# KiCad board solderCurved.kicad_pcb
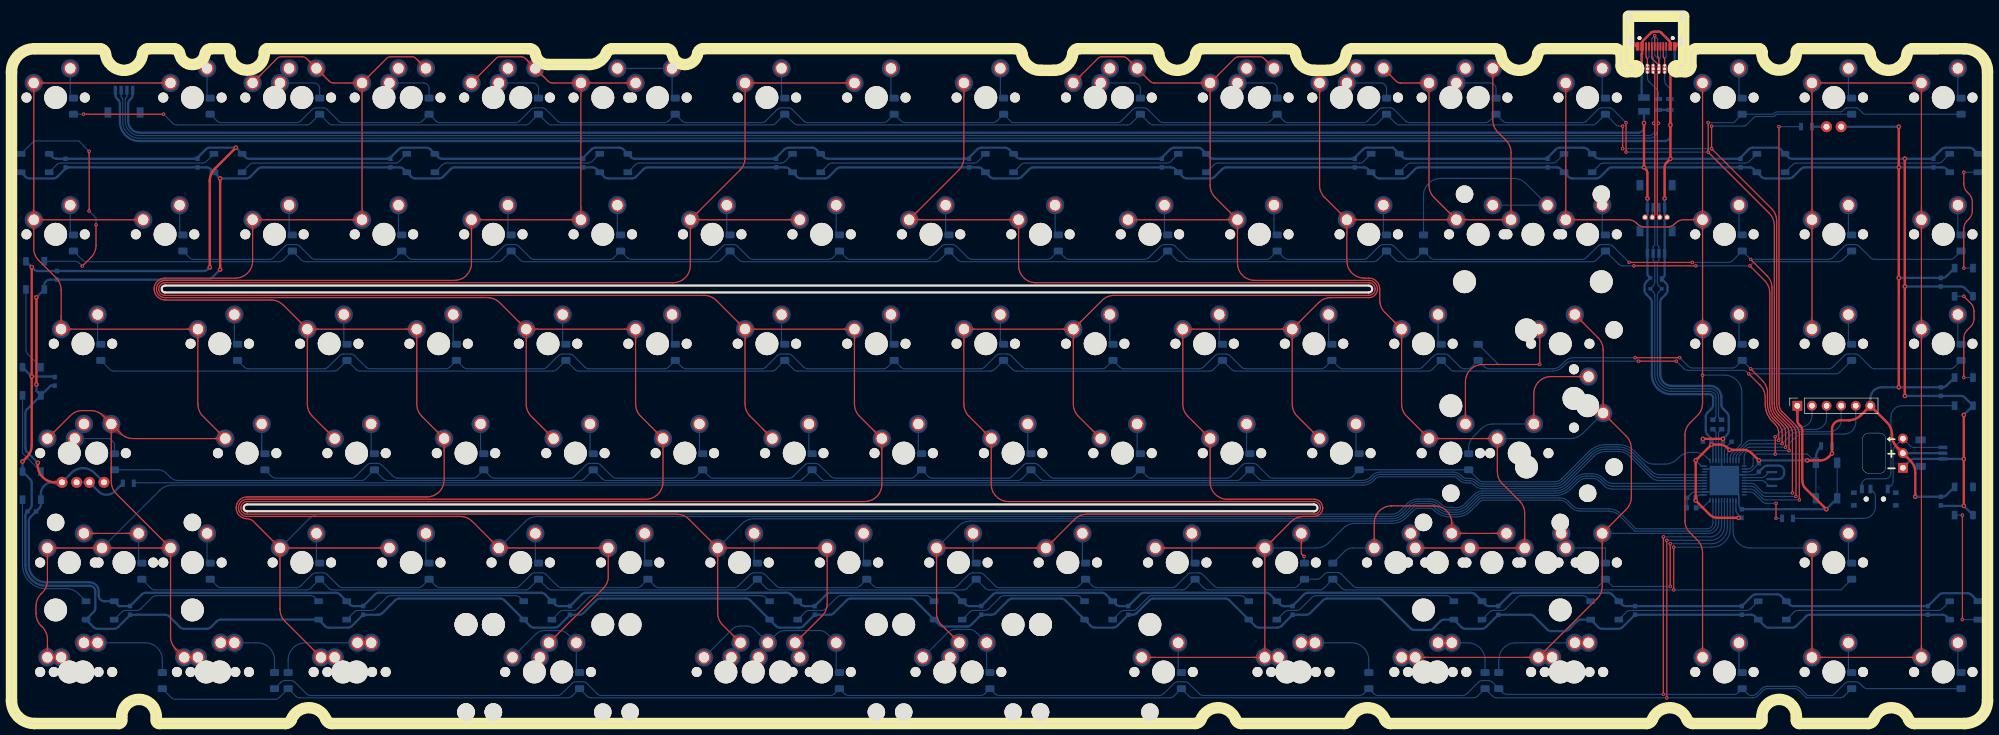
[diagram p0: board, top side]
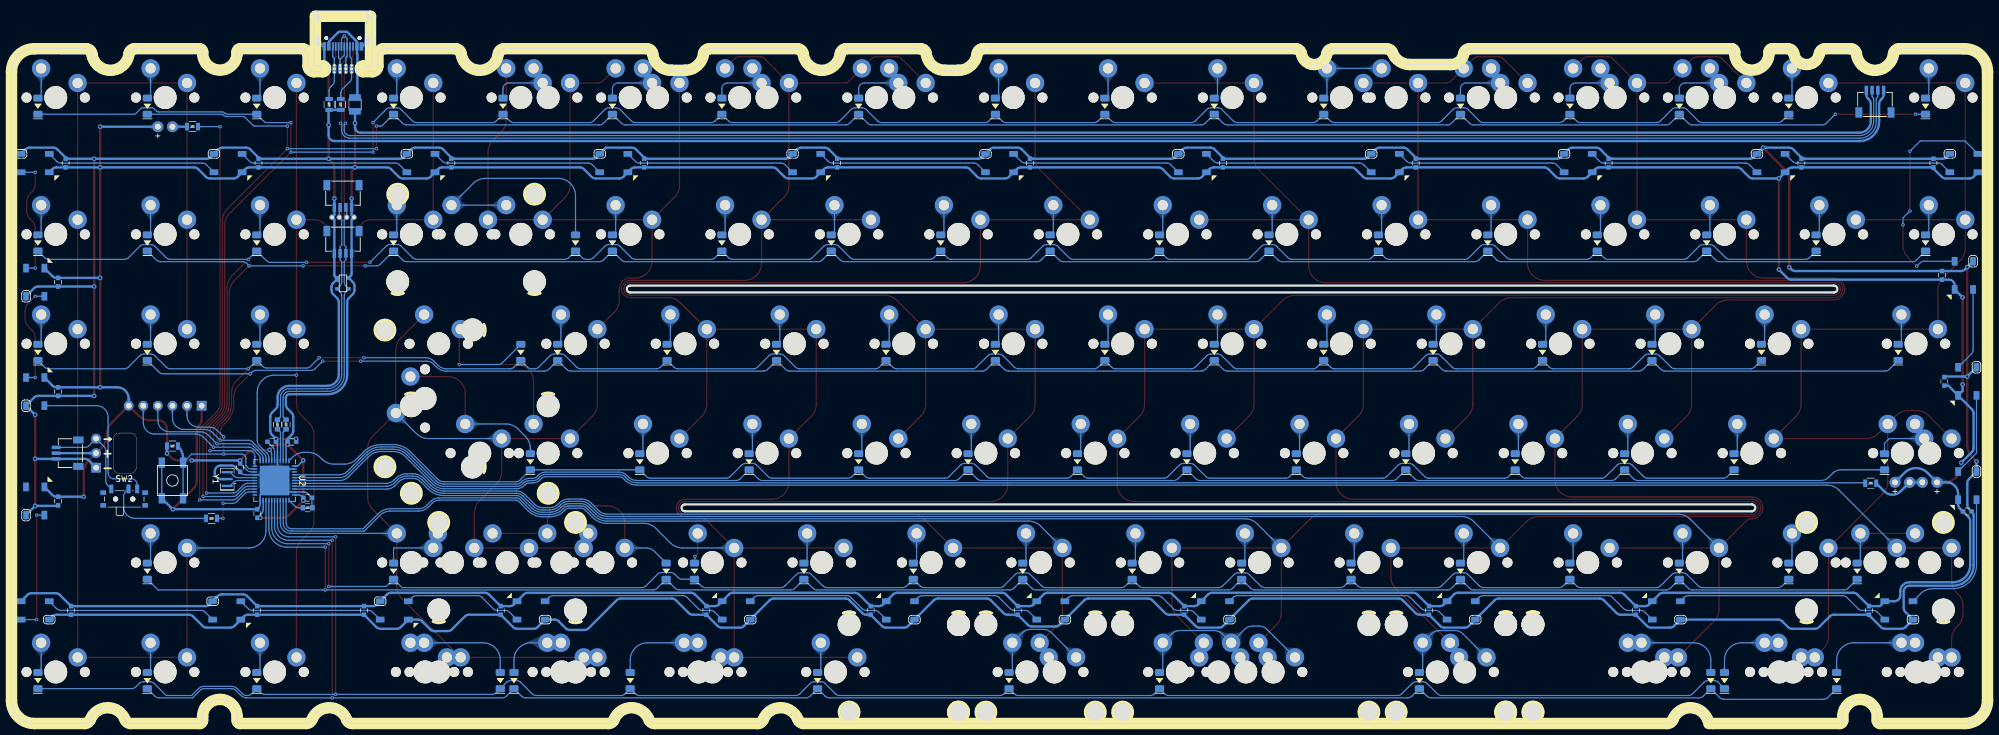
[diagram p1: board, bottom side, seen from below]

Outline 344 x 123.97 mm; copper layers: Top, Bottom. Coordinates in mm from the lower left corner of the outline.

## Placement (name value [footprint] x y rotation side)
C1  10uF  [C_0603]  295.2 49.06 0 bottom
C2  0.1uF  [C_0603]  9.41 97.58 90 bottom
C3  0.1uF  [C_0603]  200.27 97.58 90 bottom
C4  0.1uF  [C_0603]  292.45 39.31 0 bottom
C5  0.1uF  [C_0603]  301.2 36.56 270 bottom
C6  1uF  [C_0603]  298.7 49.06 180 bottom
C7  0.1uF  [C_0603]  304.2 44.56 90 bottom
C8  0.1uF  [C_0603]  65.97 97.58 90 bottom
C9  0.1uF  [C_0603]  32.39 97.58 90 bottom
C10  0.1uF  [C_0603]  166.69 97.58 90 bottom
C11  0.1uF  [C_0603]  99.54 97.58 90 bottom
C12  0.1uF  [C_0603]  233.85 97.58 90 bottom
C13  0.1uF  [C_0603]  133.12 97.58 90 bottom
C14  0.1uF  [C_0603]  267.42 97.58 90 bottom
C15  0.1uF  [C_0603]  61.23 19.69 270 bottom
C16  0.1uF  [C_0603]  301 97.58 90 bottom
C17  0.1uF  [C_0603]  334.57 97.58 90 bottom
C18  0.1uF  [C_0603]  139.83 19.69 270 bottom
C19  0.1uF  [C_0603]  194.43 19.69 270 bottom
C20  0.1uF  [C_0603]  168.83 19.69 270 bottom
C21  0.1uF  [C_0603]  97.23 19.69 270 bottom
C22  0.1uF  [C_0603]  282.63 19.69 270 bottom
C23  0.1uF  [C_0603]  301.23 19.69 270 bottom
C24  0.1uF  [C_0603]  258.83 19.69 270 bottom
C25  0.1uF  [C_0603]  223.03 19.69 270 bottom
C26  0.1uF  [C_0603]  335.87 57.79 270 bottom
C27  0.1uF  [C_0603]  335.87 76.84 270 bottom
C28  0.1uF  [C_0603]  20.63 19.69 270 bottom
C29  0.1uF  [C_0603]  335.87 38.74 270 bottom
C30  0.1uF  [C_0603]  333.63 19.69 270 bottom
C31  0.1uF  [C_0603]  7.91 78.03 90 bottom
C32  0.1uF  [C_0603]  3.52 36.92 180 bottom
C33  0.1uF  [C_0603]  7.52 59.58 90 bottom
D1  D  [DIODE_1206_SawnsProjects]  10.79 107.49 90 bottom
D2  D  [DIODE_1206_SawnsProjects]  10.79 83.67 90 bottom
D3  D  [DIODE_1206_SawnsProjects]  15.55 64.62 90 bottom
D4  D  [DIODE_1206_SawnsProjects]  17.93 45.57 90 bottom
D5  D  [DIODE_1206_SawnsProjects]  22.69 26.52 90 bottom
D6  D  [DIODE_1206_SawnsProjects]  26.26 7.47 90 bottom
D7  D  [DIODE_1206_SawnsProjects]  34.6 107.49 90 bottom
D8  D  [DIODE_1206_SawnsProjects]  29.84 83.67 90 bottom
D9  D  [DIODE_1206_SawnsProjects]  39.36 64.62 90 bottom
D10  D  [DIODE_1206_SawnsProjects]  44.12 45.57 90 bottom
D11  D  [DIODE_1206_SawnsProjects]  34.6 26.52 90 bottom
D12  D  [DIODE_1206_SawnsProjects]  45.79 7.47 90 bottom
D13  D  [DIODE_1206_SawnsProjects]  53.65 107.49 90 bottom
D14  D  [DIODE_1206_SawnsProjects]  48.89 83.67 90 bottom
D15  D  [DIODE_1206_SawnsProjects]  58.41 64.62 90 bottom
D16  D  [DIODE_1206_SawnsProjects]  63.17 45.57 90 bottom
D17  D  [DIODE_1206_SawnsProjects]  53.65 26.52 90 bottom
D18  D  [DIODE_1206_SawnsProjects]  48.17 7.47 90 bottom
D19  D  [DIODE_1206_SawnsProjects]  72.7 107.49 90 bottom
D20  D  [DIODE_1206_SawnsProjects]  67.94 83.67 90 bottom
D21  D  [DIODE_1206_SawnsProjects]  77.46 64.62 90 bottom
D22  D  [DIODE_1206_SawnsProjects]  82.22 45.57 90 bottom
D23  D  [DIODE_1206_SawnsProjects]  72.7 26.52 90 bottom
D24  D  [DIODE_1206_SawnsProjects]  91.75 107.49 90 bottom
D25  D  [DIODE_1206_SawnsProjects]  86.99 83.67 90 bottom
D26  D  [DIODE_1206_SawnsProjects]  96.51 64.62 90 bottom
D27  D  [DIODE_1206_SawnsProjects]  101.27 45.57 90 bottom
D28  D  [DIODE_1206_SawnsProjects]  91.75 26.52 90 bottom
D29  D  [DIODE_1206_SawnsProjects]  115.56 107.49 90 bottom
D30  D  [DIODE_1206_SawnsProjects]  106.04 83.67 90 bottom
D31  D  [DIODE_1206_SawnsProjects]  115.56 64.62 90 bottom
D32  D  [DIODE_1206_SawnsProjects]  120.32 45.57 90 bottom
D33  D  [DIODE_1206_SawnsProjects]  110.8 26.52 90 bottom
D34  D  [DIODE_1206_SawnsProjects]  134.61 107.49 90 bottom
D35  D  [DIODE_1206_SawnsProjects]  125.09 83.67 90 bottom
D36  D  [DIODE_1206_SawnsProjects]  134.61 64.62 90 bottom
D37  D  [DIODE_1206_SawnsProjects]  139.37 45.57 90 bottom
D38  D  [DIODE_1206_SawnsProjects]  129.85 26.52 90 bottom
D39  D  [DIODE_1206_SawnsProjects]  153.66 107.49 90 bottom
D40  D  [DIODE_1206_SawnsProjects]  144.14 83.67 90 bottom
D41  D  [DIODE_1206_SawnsProjects]  153.66 64.62 90 bottom
D42  D  [DIODE_1206_SawnsProjects]  158.42 45.57 90 bottom
D43  D  [DIODE_1206_SawnsProjects]  148.9 26.52 90 bottom
D44  D  [DIODE_1206_SawnsProjects]  144.14 7.47 90 bottom
D45  D  [DIODE_1206_SawnsProjects]  172.71 107.49 90 bottom
D46  D  [DIODE_1206_SawnsProjects]  163.19 83.67 90 bottom
D47  D  [DIODE_1206_SawnsProjects]  172.71 64.62 90 bottom
D48  D  [DIODE_1206_SawnsProjects]  177.47 45.57 90 bottom
D49  D  [DIODE_1206_SawnsProjects]  167.95 26.52 90 bottom
D50  D  [DIODE_1206_SawnsProjects]  196.52 107.49 90 bottom
D51  D  [DIODE_1206_SawnsProjects]  182.24 83.67 90 bottom
D52  D  [DIODE_1206_SawnsProjects]  191.76 64.62 90 bottom
D53  D  [DIODE_1206_SawnsProjects]  196.52 45.57 90 bottom
D54  D  [DIODE_1206_SawnsProjects]  187 26.52 90 bottom
D55  D  [DIODE_1206_SawnsProjects]  220.34 107.49 90 bottom
D56  D  [DIODE_1206_SawnsProjects]  201.29 83.67 90 bottom
D57  D  [DIODE_1206_SawnsProjects]  210.81 64.62 90 bottom
D58  D  [DIODE_1206_SawnsProjects]  215.57 45.57 90 bottom
D59  D  [DIODE_1206_SawnsProjects]  206.05 26.52 90 bottom
D60  D  [DIODE_1206_SawnsProjects]  239.39 107.49 90 bottom
D61  D  [DIODE_1206_SawnsProjects]  220.34 83.67 90 bottom
D62  D  [DIODE_1206_SawnsProjects]  229.86 64.62 90 bottom
D63  D  [DIODE_1206_SawnsProjects]  234.62 45.57 90 bottom
D64  D  [DIODE_1206_SawnsProjects]  225.1 26.52 90 bottom
D65  D  [DIODE_1206_SawnsProjects]  258.44 107.49 90 bottom
D66  D  [DIODE_1206_SawnsProjects]  239.39 83.67 90 bottom
D67  D  [DIODE_1206_SawnsProjects]  248.91 64.62 90 bottom
D68  D  [DIODE_1206_SawnsProjects]  230.03 26.52 90 bottom
D69  D  [DIODE_1206_SawnsProjects]  236.29 7.47 90 bottom
D70  D  [DIODE_1206_SawnsProjects]  277.49 107.49 90 bottom
D71  D  [DIODE_1206_SawnsProjects]  245.81 83.67 90 bottom
D72  D  [DIODE_1206_SawnsProjects]  255.34 64.62 90 bottom
D73  D  [DIODE_1206_SawnsProjects]  253.67 45.57 90 bottom
D74  D  [DIODE_1206_SawnsProjects]  277.49 26.52 90 bottom
D75  D  [DIODE_1206_SawnsProjects]  256.53 7.47 90 bottom
D76  D  [DIODE_1206_SawnsProjects]  277.49 83.67 90 bottom
D77  D  [DIODE_1206_SawnsProjects]  258.91 7.47 90 bottom
D78  D  [DIODE_1206_SawnsProjects]  301.3 107.49 90 bottom
D79  D  [DIODE_1206_SawnsProjects]  301.3 83.67 90 bottom
D80  D  [DIODE_1206_SawnsProjects]  301.3 64.62 90 bottom
D81  D  [DIODE_1206_SawnsProjects]  301.3 7.47 90 bottom
D82  D  [DIODE_1206_SawnsProjects]  320.35 107.49 90 bottom
D83  D  [DIODE_1206_SawnsProjects]  320.35 83.67 90 bottom
D84  D  [DIODE_1206_SawnsProjects]  320.35 64.62 90 bottom
D85  D  [DIODE_1206_SawnsProjects]  320.35 26.52 90 bottom
D86  D  [DIODE_1206_SawnsProjects]  320.35 7.47 90 bottom
D87  D  [DIODE_1206_SawnsProjects]  339.4 107.49 90 bottom
D88  D  [DIODE_1206_SawnsProjects]  339.4 83.67 90 bottom
D89  D  [DIODE_1206_SawnsProjects]  339.4 64.62 90 bottom
D90  D  [DIODE_1206_SawnsProjects]  339.4 7.47 90 bottom
D91  D  [DIODE_1206_SawnsProjects]  203.67 7.47 90 bottom
D92  D  [DIODE_1206_SawnsProjects]  98.89 7.47 90 bottom
D93  D  [DIODE_1206_SawnsProjects]  170.33 7.47 90 bottom
F1  Fuse_Small  [Fuse_SMD1206_Reflow]  284.2 107.79 270 bottom
J1  Conn_01x04_Female  [JST-SR-4]  286.29 86.64 0 bottom
J4  Conn_01x03_Female  [PinSocket_1x03_P2.54mm_Vertical]  329.27 47.07 180 top
J5  Conn_01x04_Female  [PinHeader_1x04_P1.27mm_Vertical]  286.29 88.14 90 top
J6  Conn_01x03_Female  [JST-SR-3]  331.45 47.07 90 bottom
J7  Conn_01x04_Female  [JST-SR-4]  286.29 94.64 0 bottom
J8  Conn_01x04_Female  [BreakoutUSB]  286.29 113.99 0 top
J9  Conn_01x04_Female  [JST-SR-4]  19.59 105.49 180 bottom
J10  Conn_01x03_Female  [PinSocket_1x06_P2.54mm_Vertical]  317.25 55.33 90 top
LED1  LED  [MXOnly-LEDONLY-FLIPPED]  317.25 108.99 0 top
LED2  LED  [MXOnly-LEDONLY]  10.07 47.07 0 top
LED3  LED  [MXOnly-LEDONLY-FLIPPED]  14.83 47.07 0 top
MX1  1U  [MXOnly-1U-NoLED]  7.69 108.99 0 top
MX2  1U  [MXOnly-1U-NoLED]  7.69 85.17 0 top
MX3  1.5U  [MXOnly-1.5U-NoLED]  12.45 66.12 0 top
MX4  1.25U  [MXOnly-1.25U-NoLED]  10.07 47.07 0 top
MX5  1.25U  [MXOnly-1.25U-NoLED]  10.07 28.02 0 top
MX6  2.25U  [MXOnly-2.25U-NoLED]  19.59 28.02 0 top
MX7  1.5U  [MXOnly-1.5U-NoLED]  12.45 8.97 0 top
MX8  1.75U  [MXOnly-1.75U-NoLED]  14.83 47.07 0 top
MX9  1U  [MXOnly-1U-NoLED]  31.5 108.99 0 top
MX10  1U  [MXOnly-1U-NoLED]  26.74 85.17 0 top
MX11  1U  [MXOnly-1U-NoLED]  36.26 66.12 0 top
MX12  1U  [MXOnly-1U-NoLED]  41.02 47.07 0 top
MX13  1U  [MXOnly-1U-NoLED]  31.5 28.02 0 top
MX14  1U  [MXOnly-1U-NoLED]  36.26 8.97 0 top
MX15  1U  [MXOnly-1U-NoLED]  50.55 108.99 0 top
MX16  1U  [MXOnly-1U-NoLED]  45.79 85.17 0 top
MX17  1U  [MXOnly-1U-NoLED]  55.31 66.12 0 top
MX18  1U  [MXOnly-1U-NoLED]  60.07 47.07 0 top
MX19  1U  [MXOnly-1U-NoLED]  50.55 28.02 0 top
MX20  1.5U  [MXOnly-1.5U-NoLED]  60.07 8.97 0 top
MX21  1U  [MXOnly-1U-NoLED]  69.6 108.99 0 top
MX22  1U  [MXOnly-1U-NoLED]  64.84 85.17 0 top
MX23  1U  [MXOnly-1U-NoLED]  74.36 66.12 0 top
MX24  1U  [MXOnly-1U-NoLED]  79.12 47.07 0 top
MX25  1U  [MXOnly-1U-NoLED]  69.6 28.02 0 top
MX26  1U  [MXOnly-1U-NoLED]  88.65 108.99 0 top
MX27  1U  [MXOnly-1U-NoLED]  83.89 85.17 0 top
MX28  1U  [MXOnly-1U-NoLED]  93.41 66.12 0 top
MX29  1U  [MXOnly-1U-NoLED]  98.17 47.07 0 top
MX30  1U  [MXOnly-1U-NoLED]  88.65 28.02 0 top
MX31  1U  [MXOnly-1U-NoLED]  112.46 108.99 0 top
MX32  1U  [MXOnly-1U-NoLED]  102.94 85.17 0 top
MX33  1U  [MXOnly-1U-NoLED]  112.46 66.12 0 top
MX34  1U  [MXOnly-1U-NoLED]  117.22 47.07 0 top
MX35  1U  [MXOnly-1U-NoLED]  107.7 28.02 0 top
MX36  1U  [MXOnly-1U-NoLED]  131.51 108.99 0 top
MX37  1U  [MXOnly-1U-NoLED]  121.99 85.17 0 top
MX38  1U  [MXOnly-1U-NoLED]  131.51 66.12 0 top
MX39  1U  [MXOnly-1U-NoLED]  136.27 47.07 0 top
MX40  1U  [MXOnly-1U-NoLED]  126.75 28.02 0 top
MX41  1U  [MXOnly-1U-NoLED]  150.56 108.99 0 top
MX42  1U  [MXOnly-1U-NoLED]  141.04 85.17 0 top
MX43  1U  [MXOnly-1U-NoLED]  150.56 66.12 0 top
MX44  1U  [MXOnly-1U-NoLED]  155.32 47.07 0 top
MX45  1U  [MXOnly-1U-NoLED]  145.8 28.02 0 top
MX46  7U  [MXOnly-7U-ReversedStabilizers-NoLED]  141.04 8.97 0 top
MX47  1U  [MXOnly-1U-NoLED]  169.61 108.99 0 top
MX48  1U  [MXOnly-1U-NoLED]  160.09 85.17 0 top
MX49  1U  [MXOnly-1U-NoLED]  169.61 66.12 0 top
MX50  1U  [MXOnly-1U-NoLED]  174.37 47.07 0 top
MX51  1U  [MXOnly-1U-NoLED]  164.85 28.02 0 top
MX52  1U  [MXOnly-1U-NoLED]  193.42 108.99 0 top
MX53  1U  [MXOnly-1U-NoLED]  179.14 85.17 0 top
MX54  1U  [MXOnly-1U-NoLED]  188.66 66.12 0 top
MX55  1U  [MXOnly-1U-NoLED]  193.42 47.07 0 top
MX56  1U  [MXOnly-1U-NoLED]  183.9 28.02 0 top
MX57  1U  [MXOnly-1U-NoLED]  212.47 108.99 0 top
MX58  1U  [MXOnly-1U-NoLED]  198.19 85.17 0 top
MX59  1U  [MXOnly-1U-NoLED]  207.71 66.12 0 top
MX60  1U  [MXOnly-1U-NoLED]  212.47 47.07 0 top
MX61  1U  [MXOnly-1U-NoLED]  202.95 28.02 0 top
MX62  1U  [MXOnly-1U-NoLED]  231.52 108.99 0 top
MX63  1U  [MXOnly-1U-NoLED]  217.24 85.17 0 top
MX64  1U  [MXOnly-1U-NoLED]  226.76 66.12 0 top
MX65  1U  [MXOnly-1U-NoLED]  231.52 47.07 0 top
MX66  1U  [MXOnly-1U-NoLED]  222 28.02 0 top
MX67  1U  [MXOnly-1U-NoLED]  250.57 108.99 0 top
MX68  1U  [MXOnly-1U-NoLED]  236.29 85.17 0 top
MX69  1U  [MXOnly-1U-NoLED]  245.81 66.12 0 top
MX70  1.75U  [MXOnly-1.75U-NoLED]  248.19 28.02 0 top
MX71  2.75U  [MXOnly-2.75U-NoLED]  257.72 28.02 0 top
MX72  1.5U  [MXOnly-1.5U-NoLED]  222 8.97 0 top
MX73  1U  [MXOnly-1U-NoLED]  274.39 108.99 0 top
MX74  1U  [MXOnly-1U-NoLED]  255.34 85.17 0 top
MX75  2U  [MXOnly-2U-NoLED]  264.86 85.17 0 top
MX76  1U  [MXOnly-1U-NoLED]  250.57 47.07 0 top
MX77  2.25U  [MXOnly-2.25U-ReversedStabilizers-NoLED]  262.48 47.07 0 top
MX78  1U  [MXOnly-1U-NoLED]  274.39 28.02 0 top
MX79  1U  [MXOnly-1U-NoLED]  245.81 8.97 0 top
MX80  1.5U  [MXOnly-1.5U-NoLED]  269.62 66.12 0 top
MX81  ISO  [MXOnly-ISO-ROTATED-ReversedStabilizers-NoLED]  272.01 56.6 0 top
MX82  1U  [MXOnly-1U-NoLED]  274.39 85.17 0 top
MX83  1.5U  [MXOnly-1.5U-NoLED]  269.62 8.97 0 top
MX84  1U  [MXOnly-1U-NoLED]  298.2 108.99 0 top
MX85  1U  [MXOnly-1U-NoLED]  298.2 85.17 0 top
MX86  1U  [MXOnly-1U-NoLED]  298.2 66.12 0 top
MX87  1U  [MXOnly-1U-NoLED]  298.2 8.97 0 top
MX88  1U  [MXOnly-1U-NoLED]  317.25 108.99 0 top
MX89  1U  [MXOnly-1U-NoLED]  317.25 85.17 0 top
MX90  1U  [MXOnly-1U-NoLED]  317.25 66.12 0 top
MX91  1U  [MXOnly-1U-NoLED]  317.25 28.02 0 top
MX92  1U  [MXOnly-1U-NoLED]  317.25 8.97 0 top
MX93  1U  [MXOnly-1U-NoLED]  336.3 108.99 0 top
MX94  1U  [MXOnly-1U-NoLED]  336.3 85.17 0 top
MX95  1U  [MXOnly-1U-NoLED]  336.3 66.12 0 top
MX96  1U  [MXOnly-1U-NoLED]  336.3 8.97 0 top
MX97  1U  [MXOnly-1U-NoLED]  45.79 108.99 0 top
MX98  1U  [MXOnly-1U-NoLED]  64.84 108.99 0 top
MX99  1U  [MXOnly-1U-NoLED]  83.89 108.99 0 top
MX100  1U  [MXOnly-1U-NoLED]  102.94 108.99 0 top
MX101  1.25U  [MXOnly-1.25U-NoLED]  10.07 8.97 0 top
MX102  1.25U  [MXOnly-1.25U-NoLED]  33.88 8.97 0 top
MX103  1.25U  [MXOnly-1.25U-NoLED]  57.69 8.97 0 top
MX104  1U  [MXOnly-1U-NoLED]  188.66 108.99 0 top
MX105  1U  [MXOnly-1U-NoLED]  217.24 108.99 0 top
MX106  1U  [MXOnly-1U-NoLED]  236.29 108.99 0 top
MX107  1U  [MXOnly-1U-NoLED]  255.34 108.99 0 top
MX108  6.25U  [MXOnly-6.25U-ReversedStabilizers-NoLED]  129.13 8.97 0 top
MX109  1.25U  [MXOnly-1.25U-NoLED]  124.37 8.97 0 top
MX110  2.75U  [MXOnly-2.75U-ReversedStabilizers-NoLED]  95.79 8.97 0 top
MX111  2.25U  [MXOnly-2.25U-ReversedStabilizers-NoLED]  91.03 8.97 0 top
MX112  1.25U  [MXOnly-1.25U-NoLED]  133.89 8.97 0 top
MX113  2.25U  [MXOnly-2.25U-ReversedStabilizers-NoLED]  167.23 8.97 0 top
MX114  2.75U  [MXOnly-2.75U-ReversedStabilizers-NoLED]  162.47 8.97 0 top
MX115  1.25U  [MXOnly-1.25U-NoLED]  200.57 8.97 0 top
MX116  1.25U  [MXOnly-1.25U-NoLED]  224.38 8.97 0 top
MX117  1.25U  [MXOnly-1.25U-NoLED]  248.19 8.97 0 top
MX118  1.25U  [MXOnly-1.25U-NoLED]  272.01 8.97 0 top
MX119  1.75U  [MXOnly-1.75U-NoLED]  267.24 28.02 0 top
MX120  1U  [MXOnly-1U-NoLED]  241.05 28.02 0 top
R1  5.1k  [R_0805]  288.7 107.79 90 bottom
R2  300R  [R_0805]  312.49 103.93 180 bottom
R3  300R  [R_0805]  20.34 41.84 0 bottom
R4  22  [R_0603]  297.7 52.06 90 bottom
R5  22  [R_0603]  296.2 52.06 90 bottom
R6  5.1k  [R_0805]  286.7 107.79 90 bottom
R7  300R  [R_0805]  309.18 35.71 180 bottom
R9  10k  [R_0805]  315.98 48.31 180 bottom
R10  1k  [R_0603]  292.45 37.56 0 bottom
RGB1  WS2812B  [LED_WS2812B_PLCC4_5.0x5.0mm_P3.2mm]  4.11 97.58 0 bottom
RGB2  WS2812B  [LED_WS2812B_PLCC4_5.0x5.0mm_P3.2mm]  37.69 97.58 0 bottom
RGB3  WS2812B  [LED_WS2812B_PLCC4_5.0x5.0mm_P3.2mm]  71.27 97.58 0 bottom
RGB4  WS2812B  [LED_WS2812B_PLCC4_5.0x5.0mm_P3.2mm]  104.84 97.58 0 bottom
RGB5  WS2812B  [LED_WS2812B_PLCC4_5.0x5.0mm_P3.2mm]  272.72 97.58 0 bottom
RGB6  WS2812B  [LED_WS2812B_PLCC4_5.0x5.0mm_P3.2mm]  138.42 97.58 0 bottom
RGB7  WS2812B  [LED_WS2812B_PLCC4_5.0x5.0mm_P3.2mm]  171.99 97.58 0 bottom
RGB8  WS2812B  [LED_WS2812B_PLCC4_5.0x5.0mm_P3.2mm]  205.57 97.58 0 bottom
RGB9  WS2812B  [LED_WS2812B_PLCC4_5.0x5.0mm_P3.2mm]  239.15 97.58 0 bottom
RGB10  WS2812B  [LED_WS2812B_PLCC4_5.0x5.0mm_P3.2mm]  306.3 97.58 0 bottom
RGB11  WS2812B  [LED_WS2812B_PLCC4_5.0x5.0mm_P3.2mm]  339.87 97.58 0 bottom
RGB12  WS2812B  [LED_WS2812B_PLCC4_5.0x5.0mm_P3.2mm]  339.87 19.69 180 bottom
RGB13  WS2812B  [LED_WS2812B_PLCC4_5.0x5.0mm_P3.2mm]  339.87 38.74 270 bottom
RGB14  WS2812B  [LED_WS2812B_PLCC4_5.0x5.0mm_P3.2mm]  339.87 57.79 270 bottom
RGB15  WS2812B  [LED_WS2812B_PLCC4_5.0x5.0mm_P3.2mm]  339.87 76.84 270 bottom
RGB16  WS2812B  [LED_WS2812B_PLCC4_5.0x5.0mm_P3.2mm]  4.11 78.03 90 bottom
RGB17  WS2812B  [LED_WS2812B_PLCC4_5.0x5.0mm_P3.2mm]  3.52 59.58 90 bottom
RGB18  WS2812B  [LED_WS2812B_PLCC4_5.0x5.0mm_P3.2mm]  3.52 41.42 90 bottom
RGB19  WS2812B  [LED_WS2812B_PLCC4_5.0x5.0mm_P3.2mm]  15.43 19.69 180 bottom
RGB20  WS2812B  [LED_WS2812B_PLCC4_5.0x5.0mm_P3.2mm]  55.91 19.69 180 bottom
RGB21  WS2812B  [LED_WS2812B_PLCC4_5.0x5.0mm_P3.2mm]  91.63 19.69 180 bottom
RGB22  WS2812B  [LED_WS2812B_PLCC4_5.0x5.0mm_P3.2mm]  134.42 19.69 180 bottom
RGB23  WS2812B  [LED_WS2812B_PLCC4_5.0x5.0mm_P3.2mm]  163.06 19.69 180 bottom
RGB24  WS2812B  [LED_WS2812B_PLCC4_5.0x5.0mm_P3.2mm]  189.26 19.69 180 bottom
RGB25  WS2812B  [LED_WS2812B_PLCC4_5.0x5.0mm_P3.2mm]  217.83 19.69 180 bottom
RGB26  WS2812B  [LED_WS2812B_PLCC4_5.0x5.0mm_P3.2mm]  253.55 19.69 180 bottom
RGB27  WS2812B  [LED_WS2812B_PLCC4_5.0x5.0mm_P3.2mm]  306.53 19.69 0 bottom
RGB28  WS2812B  [LED_WS2812B_PLCC4_5.0x5.0mm_P3.2mm]  277.36 19.69 0 bottom
SW1  SW_Push  [SKQG-1155865-2pin]  315.98 42.31 270 bottom
SW2  SW_SPDT  [SW_SPDT_PCM12]  324.38 39.41 180 bottom
U2  ATmega32U4-MU  [QFN-44-1EP_7x7mm_P0.5mm_EP5.15x5.15mm]  298.2 42.31 270 bottom
U3  PRTR5V0U2X  [SOT143B]  286.29 76.64 180 bottom
USB1  HRO-TYPE-C-31-M-12  [HRO-TYPE-C-31-M-12-Assembly]  286.31 125.59 0 bottom
USB2  HRO-TYPE-C-31-M-12  [HRO-TYPE-C-31-M-12-Assembly]  286.31 125.59 180 top
Y1  16Mhz  [Resonator_SMD_muRata_CSTxExxV-3Pin_3.0x1.1mm]  306.45 42.56 90 bottom

## Footprints (pads in the part's own frame, mm; a bottom-side part is the same pattern mirrored in y, then rotated)
BreakoutUSB
  round 0.5 hole 0.4: 1(-2.5,0.6) 1(-2.5,-0.6) 2(-1.5,0.6) 2(-1.5,-0.6) 3(-0.5,0.6) 3(-0.5,-0.6) 4(0.5,0.6) 4(0.5,-0.6) 5(1.5,0.6) 5(1.5,-0.6) 6(2.5,0.6) 6(2.5,-0.6)
  oval 0.7x1.8 hole 0.5: 1(-2.5,0) 2(-1.5,0) 3(-0.5,0) 4(0.5,0) 5(1.5,0) 6(2.5,0)
C_0603
  rect 0.8x0.75 smd: 1(-0.75,0) 2(0.75,0)
DIODE_1206_SawnsProjects
  rrect 1.2x1.6 smd: 1(-1.4,0) 2(1.4,0)
Fuse_SMD1206_Reflow
  rect 1.14x2.03 smd: 1(-1.2,0) 2(1.2,0)
HRO-TYPE-C-31-M-12-Assembly
  round 0.65 hole 0.65 unplated: (-2.89,6.25) (2.89,6.25)
  rect 0.6x1.45 smd: 1(-3.225,7.695) 2(-2.45,7.695) 11(2.45,7.695) 12(3.225,7.695)
  rect 0.3x1.45 smd: 3(-1.75,7.695) 4(-1.25,7.695) 5(-0.75,7.695) 6(-0.25,7.695) 7(0.25,7.695) 8(0.75,7.695) 9(1.25,7.695) 10(1.75,7.695)
  oval 1x2.1 hole 0.6x1.7: 13(-4.32,6.78) 13(4.32,6.78)
  oval 1x1.6 hole 0.6x1.2: 13(-4.32,2.6) 13(4.32,2.6)
JST-SR-3
  rect 1.2x1.8 smd: (-2.3,0.9) (2.3,0.9)
  rect 0.6x1.55 smd: 1(-1,4.775) 2(0,4.775) 3(1,4.775)
JST-SR-4
  rect 1.2x1.8 smd: (-2.8,0.9) (2.8,0.9)
  rect 0.6x1.55 smd: 1(-1.5,4.775) 2(-0.5,4.775) 3(0.5,4.775) 4(1.5,4.775)
LED_WS2812B_PLCC4_5.0x5.0mm_P3.2mm
  rect 1.5x1 smd: 1(-2.45,1.6) 2(-2.45,-1.6) 4(2.45,1.6)
  rrect 1.5x1 smd: 3(2.45,-1.6)
MXOnly-1.5U-NoLED
  round 1.75 hole 1.75 unplated: (-5.08,0) (5.08,0)
  round 2.8 smd: (-3.81,2.54) (2.54,5.08)
  round 3.988 hole 3.988 unplated: (0,0)
  round 1 smd: (3.099,0)
  round 2.4 hole 1.8: 1(-3.81,2.54) 2(2.54,5.08)
  round 3.2 smd far side: 1(-3.81,2.54) 2(2.54,5.08)
MXOnly-1.25U-NoLED
  round 1.75 hole 1.75 unplated: (-5.08,0) (5.08,0)
  round 2.8 smd: (-3.81,2.54) (2.54,5.08)
  round 3.988 hole 3.988 unplated: (0,0)
  round 1 smd: (3.099,0)
  round 2.4 hole 1.8: 1(-3.81,2.54) 2(2.54,5.08)
  round 3.2 smd far side: 1(-3.81,2.54) 2(2.54,5.08)
MXOnly-1.75U-NoLED
  round 1.75 hole 1.75 unplated: (-5.08,0) (5.08,0)
  round 2.8 smd: (-3.81,2.54) (2.54,5.08)
  round 3.988 hole 3.988 unplated: (0,0)
  round 1 smd: (3.099,0)
  round 2.4 hole 1.8: 1(-3.81,2.54) 2(2.54,5.08)
  round 3.2 smd far side: 1(-3.81,2.54) 2(2.54,5.08)
MXOnly-1U-NoLED
  round 1.75 hole 1.75 unplated: (-5.08,0) (5.08,0)
  round 2.8 smd: (-3.81,2.54) (2.54,5.08)
  round 3.988 hole 3.988 unplated: (0,0)
  round 1 smd: (3.099,0)
  round 2.4 hole 1.8: 1(-3.81,2.54) 2(2.54,5.08)
  round 3.2 smd far side: 1(-3.81,2.54) 2(2.54,5.08)
MXOnly-2.25U-NoLED
  round 3.048 hole 3.048 unplated: (-11.906,6.985) (11.906,6.985)
  round 3.988 hole 3.988 unplated: (-11.906,-8.255) (0,0) (11.906,-8.255)
  round 1.75 hole 1.75 unplated: (-5.08,0) (5.08,0)
  round 2.8 smd: (-3.81,2.54) (2.54,5.08)
  round 1 smd: (3.099,0)
  round 2.4 hole 1.8: 1(-3.81,2.54) 2(2.54,5.08)
  round 3.2 smd far side: 1(-3.81,2.54) 2(2.54,5.08)
MXOnly-2.25U-ReversedStabilizers-NoLED
  round 3.988 hole 3.988 unplated: (-11.906,8.255) (0,0) (11.906,8.255)
  round 3.048 hole 3.048 unplated: (-11.906,-6.985) (11.906,-6.985)
  round 1.75 hole 1.75 unplated: (-5.08,0) (5.08,0)
  round 2.8 smd: (-3.81,2.54) (2.54,5.08)
  round 1 smd: (3.099,0)
  round 2.4 hole 1.8: 1(-3.81,2.54) 2(2.54,5.08)
  round 3.2 smd far side: 1(-3.81,2.54) 2(2.54,5.08)
MXOnly-2.75U-NoLED
  round 3.048 hole 3.048 unplated: (-11.906,6.985) (11.906,6.985)
  round 3.988 hole 3.988 unplated: (-11.906,-8.255) (0,0) (11.906,-8.255)
  round 1.75 hole 1.75 unplated: (-5.08,0) (5.08,0)
  round 2.8 smd: (-3.81,2.54) (2.54,5.08)
  round 1 smd: (3.099,0)
  round 2.4 hole 1.8: 1(-3.81,2.54) 2(2.54,5.08)
  round 3.2 smd far side: 1(-3.81,2.54) 2(2.54,5.08)
MXOnly-2.75U-ReversedStabilizers-NoLED
  round 3.988 hole 3.988 unplated: (-11.906,8.255) (0,0) (11.906,8.255)
  round 3.048 hole 3.048 unplated: (-11.906,-6.985) (11.906,-6.985)
  round 1.75 hole 1.75 unplated: (-5.08,0) (5.08,0)
  round 2.8 smd: (-3.81,2.54) (2.54,5.08)
  round 1 smd: (3.099,0)
  round 2.4 hole 1.8: 1(-3.81,2.54) 2(2.54,5.08)
  round 3.2 smd far side: 1(-3.81,2.54) 2(2.54,5.08)
MXOnly-2U-NoLED
  round 3.048 hole 3.048 unplated: (-11.906,6.985) (11.906,6.985)
  round 3.988 hole 3.988 unplated: (-11.906,-8.255) (0,0) (11.906,-8.255)
  round 1.75 hole 1.75 unplated: (-5.08,0) (5.08,0)
  round 2.8 smd: (-3.81,2.54) (2.54,5.08)
  round 1 smd: (3.099,0)
  round 2.4 hole 1.8: 1(-3.81,2.54) 2(2.54,5.08)
  round 3.2 smd far side: 1(-3.81,2.54) 2(2.54,5.08)
MXOnly-6.25U-ReversedStabilizers-NoLED
  round 3.988 hole 3.988 unplated: (-50,8.255) (0,0) (50,8.255)
  round 3.048 hole 3.048 unplated: (-50,-6.985) (50,-6.985)
  round 1.75 hole 1.75 unplated: (-5.08,0) (5.08,0)
  round 2.8 smd: (-3.81,2.54) (2.54,5.08)
  round 1 smd: (3.099,0)
  round 2.4 hole 1.8: 1(-3.81,2.54) 2(2.54,5.08)
  round 3.2 smd far side: 1(-3.81,2.54) 2(2.54,5.08)
MXOnly-7U-ReversedStabilizers-NoLED
  round 3.988 hole 3.988 unplated: (-57.15,8.255) (0,0) (57.15,8.255)
  round 3.048 hole 3.048 unplated: (-57.15,-6.985) (57.15,-6.985)
  round 1.75 hole 1.75 unplated: (-5.08,0) (5.08,0)
  round 2.8 smd: (-3.81,2.54) (2.54,5.08)
  round 1 smd: (3.099,0)
  round 2.4 hole 1.8: 1(-3.81,2.54) 2(2.54,5.08)
  round 3.2 smd far side: 1(-3.81,2.54) 2(2.54,5.08)
MXOnly-ISO-ROTATED-ReversedStabilizers-NoLED
  round 3.988 hole 3.988 unplated: (-8.255,11.938) (-8.255,-11.938) (0,0)
  round 1.75 hole 1.75 unplated: (0,5.08) (0,-5.08)
  round 1 smd: (0,-3.099)